# Allegro board 6089-103-RevA_73.brd (continued)
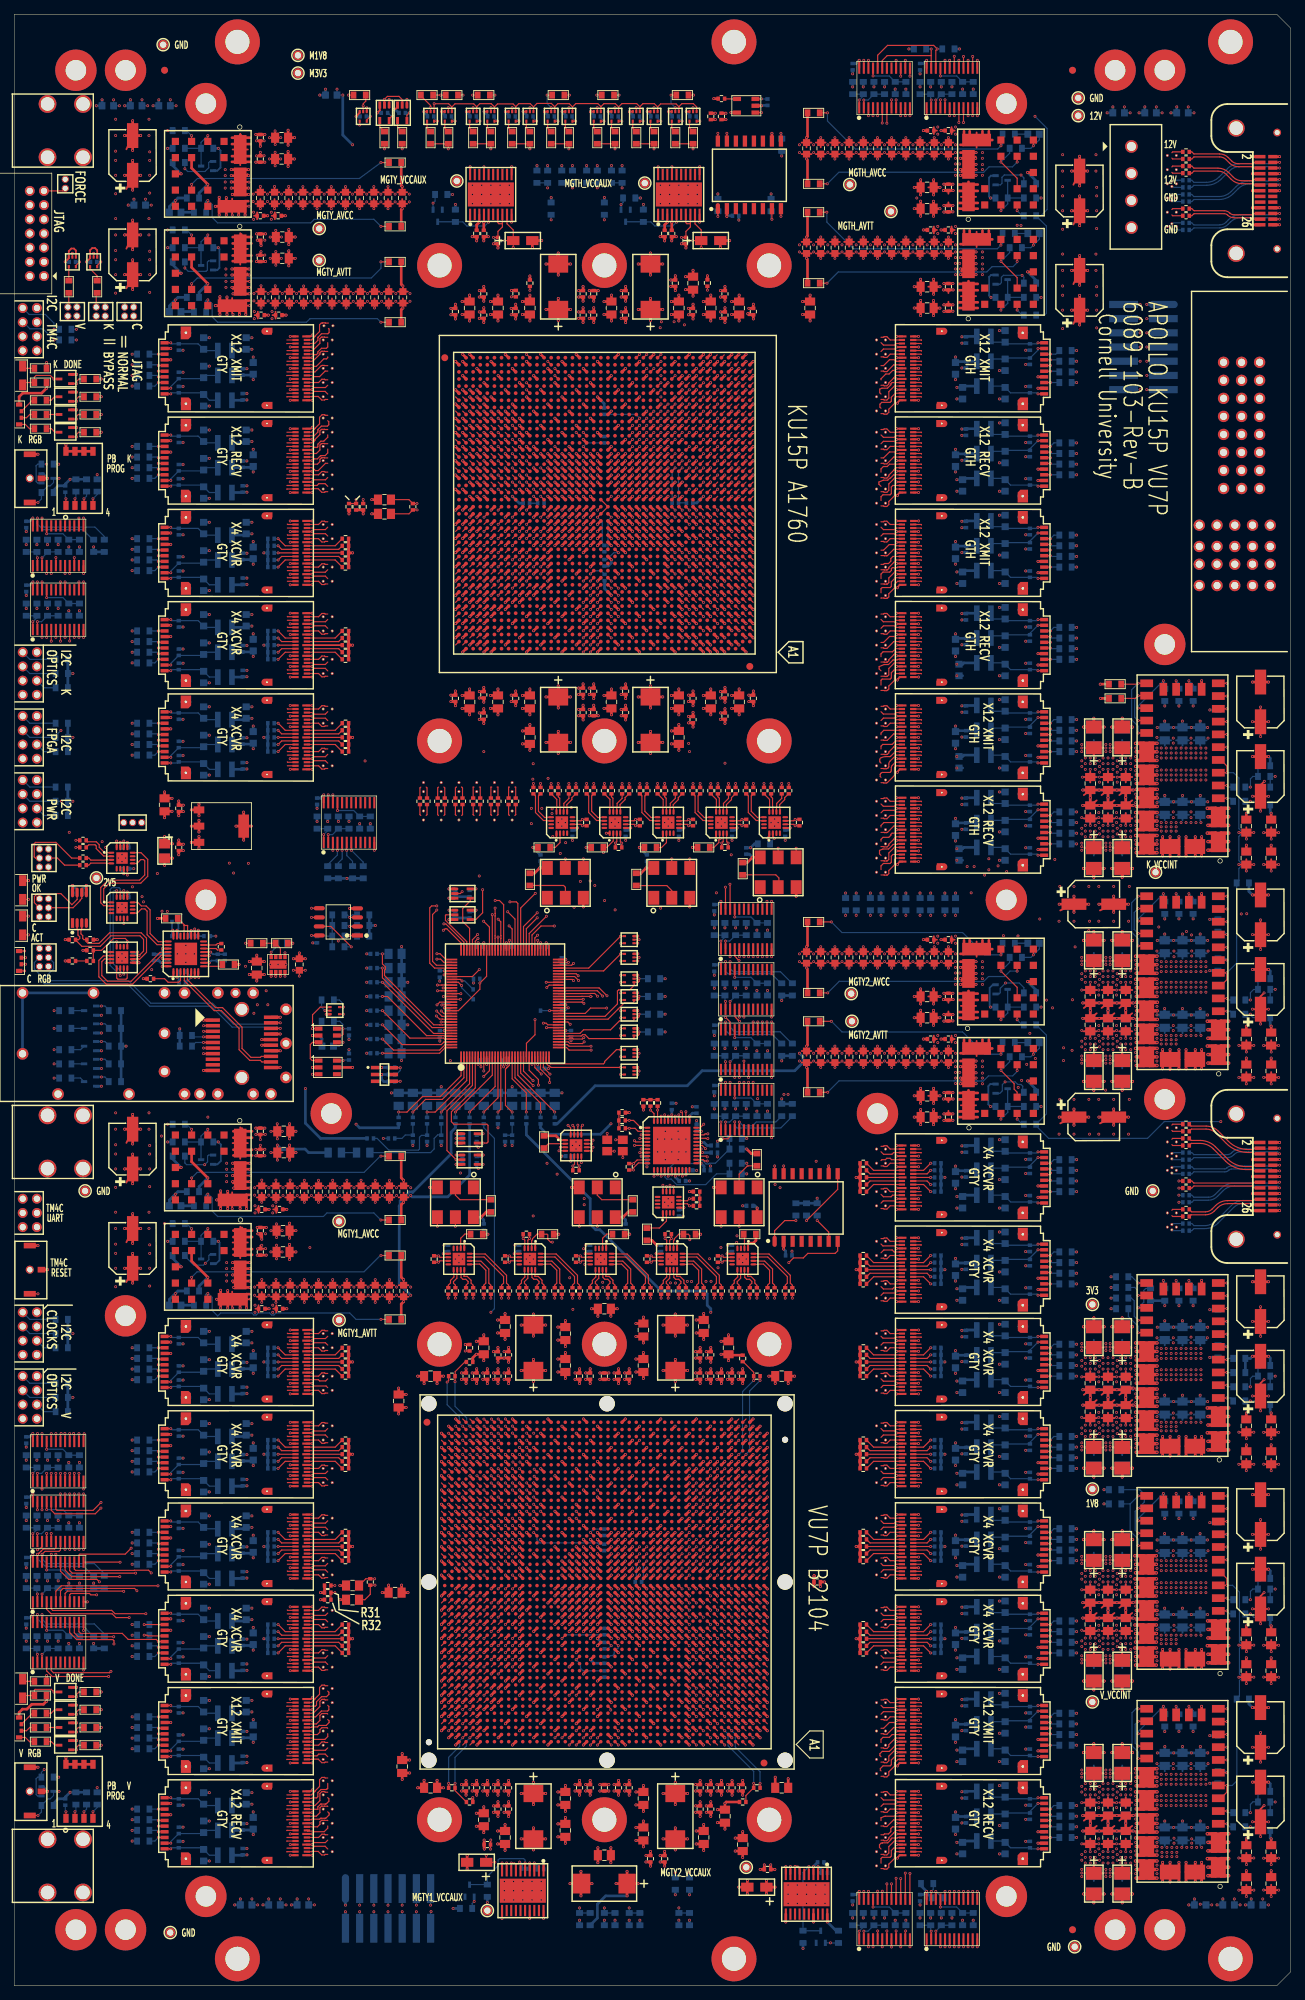
[diagram p0: board, top side]
## Routing (per net, layer and track width the routed paths; a pad name or vN(x,y) marks a point on that pad's centre or on a via; arc(x,y) is an arc through that point) (continued)
141.47,183.18 ; U107.G1 141.47,184.62 ; PM26.1 22,8.38 ; PM26.1 22.67,6.83 ; PM26.1 21.12,7.5 ; PM26.1 21.33,8.17 ; PM26.1 22,6.62 ; PM26.1 22.67,8.17 ; PM26.1 21.33,6.83 ; PM26.1 22.88,7.5 ; 30.51,140.59 U13.21 ; U13.21 32.1,139.9 ; U13.21 30.51,139.21 ; U13.21 31.89,140.59 ; U13.21 31.2,140.8 ; U13.21 31.89,139.21 ; U13.21 30.3,139.9 ; U13.21 31.2,139 ; U106.G1 142.19,197.84 ; U106.G1 141.25,196.9 ; U106.G1 141.47,196.18 ; U106.G1 141.79,195.97 ; U106.G1 141.47,197.62 ; U106.G1 142.91,196.18 ; U106.G1 142.19,195.96 ; U106.G1 142.91,197.62 ; 43.15,205.71 43.56,205.9 ; 43.56,205.9 43.15,206.09 ; 43.56,205.9 43.18,205.9 ; 43.56,205.9 43.56,206.28 ; 43.56,205.9 43.38,205.49 ; 43.56,205.9 43.24,206.22 ; 43.56,205.9 43.24,205.58 ; 43.56,205.9 43.56,205.52 ; 163.84,114.9 164.25,115.09 ; 163.84,114.9 164.25,114.71 ; 163.84,114.9 164.16,114.58 ; 163.84,114.9 164.02,115.31 ; 163.84,114.9 163.84,114.52 ; 163.84,114.9 164.16,115.22 ; 163.84,114.9 164.22,114.9 ; 163.84,114.9 163.84,115.28 ; VA46.4 45.02,29.31 ; VA46.4 45.25,28.71 ; VA46.4 45.16,29.22 ; VA46.4 45.25,29.09 ; VA46.4 44.84,29.28 ; VA46.4 45.16,28.58 ; VA46.4 44.84,28.52 ; VA46.4 45.22,28.9 ; VA80.3 122.83,200.28 ; VA80.3 123.16,199.58 ; VA80.3 123.25,199.71 ; VA80.3 123.25,200.09 ; VA80.3 123.22,199.9 ; VA80.3 123.02,200.31 ; VA80.3 122.83,199.52 ; VA80.3 123.16,200.22 ; 24.21,169.96 U24.G2 ; U24.G2 24.93,170.18 ; U24.G2 23.49,171.62 ; U24.G2 24.93,171.62 ; U24.G2 25.15,170.9 ; U24.G2 23.81,169.97 ; U24.G2 23.49,170.18 ; U24.G2 24.21,171.84 ; 43.24,173.58 43.56,173.9 ; 43.56,173.9 43.18,173.9 ; 43.56,173.9 43.56,174.28 ; 43.56,173.9 43.56,173.52 ; 43.56,173.9 43.24,174.22 ; 43.56,173.9 43.38,173.49 ; 43.56,173.9 43.15,174.09 ; 43.56,173.9 43.15,173.71 ; U112.G2 142.91,92.18 ; U112.G2 141.25,92.9 ; U112.G2 141.47,93.62 ; U112.G2 142.19,93.84 ; U112.G2 141.79,91.97 ; U112.G2 142.91,93.62 ; U112.G2 141.47,92.18 ; U112.G2 142.19,91.96 ; J6.1 2.07,110.52 ; J6.1 2.07,111.28 ; J6.1 1.58,111.77 ; J6.1 1.87,111.57 ; J6.1 1.2,111.78 ; J6.1 1.2,110.02 ; J6.1 2.08,110.9 ; J6.1 1.87,110.23 ; 121.15,202.09 VA79.4 ; VA79.4 121.18,201.9 ; VA79.4 121.56,202.28 ; VA79.4 121.38,201.49 ; VA79.4 121.24,202.22 ; VA79.4 121.56,201.52 ; VA79.4 121.15,201.71 ; VA79.4 121.24,201.58 ; 62.7,164.26 63.02,163.94 ; 62.7,164.26 63.08,164.26 ; 62.7,164.26 62.51,163.85 ; 62.7,164.26 63.11,164.08 ; 62.7,164.26 62.32,164.26 ; 62.7,164.26 62.38,163.94 ; 62.7,164.26 62.29,164.08 ; 62.7,164.26 62.7,163.88 ; 3.53,244.23 J1.5 ; J1.5 5.08,244.9 ; J1.5 4.87,245.57 ; J1.5 3.53,245.57 ; J1.5 3.32,244.9 ; J1.5 4.2,244.02 ; J1.5 4.2,245.78 ; J1.5 4.87,244.23 ; VA65.3 123.16,232.22 ; VA65.3 123.22,231.9 ; VA65.3 122.83,232.28 ; VA65.3 123.25,232.09 ; VA65.3 123.02,232.31 ; VA65.3 122.83,231.52 ; VA65.3 123.16,231.58 ; VA65.3 123.25,231.71 ; VA13.4 45.25,204.09 ; VA13.4 45.25,203.71 ; VA13.4 45.16,203.58 ; VA13.4 45.02,204.31 ; VA13.4 45.22,203.9 ; VA13.4 45.16,204.22 ; VA13.4 44.84,204.28 ; VA13.4 44.84,203.52 ; VA22.3 45.16,173.58 ; VA22.3 45.25,174.09 ; VA22.3 44.84,173.52 ; VA22.3 45.02,174.31 ; VA22.3 45.22,173.9 ; VA22.3 45.25,173.71 ; VA22.3 45.16,174.22 ; VA22.3 44.84,174.28 ; VA124.3 123.25,44.71 ; VA124.3 123.16,45.22 ; VA124.3 123.16,44.58 ; VA124.3 122.83,44.52 ; VA124.3 123.02,45.31 ; VA124.3 123.25,45.09 ; VA124.3 122.83,45.28 ; VA124.3 123.22,44.9 ; 141.79,39.97 U116.G2 ; U116.G2 141.25,40.9 ; U116.G2 141.47,41.62 ; U116.G2 142.91,41.62 ; U116.G2 142.19,39.96 ; U116.G2 142.91,40.18 ; U116.G2 141.47,40.18 ; U116.G2 142.19,41.84 ; 121.15,17.09 VA136.4 ; VA136.4 121.56,17.28 ; VA136.4 121.15,16.71 ; VA136.4 121.18,16.9 ; VA136.4 121.56,16.52 ; VA136.4 121.24,16.58 ; VA136.4 121.38,16.49 ; VA136.4 121.24,17.22 ; VA10.4 45.16,213.22 ; VA10.4 45.02,213.31 ; VA10.4 45.25,212.71 ; VA10.4 45.25,213.09 ; VA10.4 44.84,212.52 ; VA10.4 45.22,212.9 ; VA10.4 44.84,213.28 ; VA10.4 45.16,212.58 ; VA76.3 123.02,209.31 ; VA76.3 123.25,209.09 ; VA76.3 123.16,208.58 ; VA76.3 123.16,209.22 ; VA76.3 123.22,208.9 ; VA76.3 122.83,209.28 ; VA76.3 122.83,208.52 ; VA76.3 123.25,208.71 ; J3.7 1.87,182.57 ; J3.7 1.2,181.02 ; J3.7 1.2,182.78 ; J3.7 1.58,182.77 ; J3.7 1.87,181.23 ; J3.7 2.07,182.28 ; J3.7 2.08,181.9 ; J3.7 2.07,181.52 ; 43.24,40.22 43.56,39.9 ; 43.56,39.9 43.56,39.52 ; 43.56,39.9 43.15,39.71 ; 43.56,39.9 43.38,39.49 ; 43.56,39.9 43.24,39.58 ; 43.56,39.9 43.56,40.28 ; 43.56,39.9 43.15,40.09 ; 43.56,39.9 43.18,39.9 ; 163.84,118.9 164.25,119.09 ; 163.84,118.9 164.16,119.22 ; 163.84,118.9 163.84,119.28 ; 163.84,118.9 164.02,119.31 ; 163.84,118.9 164.22,118.9 ; 163.84,118.9 164.25,118.71 ; 163.84,118.9 164.16,118.58 ; 163.84,118.9 163.84,118.52 ; VA112.3 123.16,83.58 ; VA112.3 123.25,83.71 ; VA112.3 123.25,84.09 ; VA112.3 123.16,84.22 ; VA112.3 122.83,83.52 ; VA112.3 122.83,84.28 ; VA112.3 123.02,84.31 ; VA112.3 123.22,83.9 ; 6.18,125.65 6.85,124.98 ; 6.18,125.65 6.18,126.53 ; 6.18,125.65 6.18,124.77 ; 6.18,125.65 5.51,126.32 ; 6.18,125.65 5.3,125.65 ; 6.18,125.65 7.06,125.65 ; 6.18,125.65 6.85,126.32 ; 6.18,125.65 5.51,124.98 ; J6.5 2.08,106.9 ; J6.5 1.87,107.57 ; J6.5 1.2,107.78 ; J6.5 1.2,106.02 ; J6.5 2.07,107.28 ; J6.5 1.58,107.77 ; J6.5 1.87,106.23 ; J6.5 2.07,106.52 ; 69.79,168.08 70.2,168.26 ; 70.2,168.26 70.01,167.85 ; 70.2,168.26 69.82,168.26 ; 70.2,168.26 70.2,167.88 ; 70.2,168.26 70.58,168.26 ; 70.2,168.26 70.52,167.94 ; 70.2,168.26 69.88,167.94 ; 70.2,168.26 70.61,168.08 ; VA121.4 122.83,53.28 ; VA121.4 123.22,52.9 ; VA121.4 123.16,52.58 ; VA121.4 123.02,53.31 ; VA121.4 123.16,53.22 ; VA121.4 123.25,53.09 ; VA121.4 122.83,52.52 ; VA121.4 123.25,52.71 ; 43.56,203.52 43.56,203.9 ; 43.56,203.9 43.38,203.49 ; 43.56,203.9 43.18,203.9 ; 43.56,203.9 43.15,204.09 ; 43.56,203.9 43.24,204.22 ; 43.56,203.9 43.56,204.28 ; 43.56,203.9 43.24,203.58 ; 43.56,203.9 43.15,203.71 ; VA23.3 45.16,171.58 ; VA23.3 45.25,172.09 ; VA23.3 45.16,172.22 ; VA23.3 45.02,172.31 ; VA23.3 45.25,171.71 ; VA23.3 44.84,171.52 ; VA23.3 44.84,172.28 ; VA23.3 45.22,171.9 ; P1.12 173.03,219.57 ; P1.12 172.05,218.59 ; P1.12 173.03,217.61 ; P1.12 172.29,217.85 ; P1.12 173.77,219.33 ; P1.12 174.01,218.59 ; P1.12 173.77,217.85 ; P1.12 172.29,219.33 ; U109.G1 142.91,158.62 ; U109.G1 142.91,157.18 ; U109.G1 141.47,158.62 ; U109.G1 141.47,157.18 ; U109.G1 142.19,156.96 ; U109.G1 142.19,158.84 ; U109.G1 141.25,157.9 ; U109.G1 141.79,156.97 ; U13.39 24.77,139.14 ; U13.39 25.02,139.9 ; U13.39 23.25,140.66 ; U13.39 23.25,139.14 ; U13.39 24.77,140.66 ; U13.39 24.01,140.9 ; U13.39 24.01,138.9 ; U13.39 23.01,139.9 ; 162.24,254.22 VA139.4 ; VA139.4 162.15,254.09 ; VA139.4 162.56,254.28 ; VA139.4 162.24,253.58 ; VA139.4 162.56,253.52 ; VA139.4 162.38,253.49 ; VA139.4 162.18,253.9 ; VA139.4 162.15,253.71 ; 122.83,63.52 VA118.4 ; VA118.4 123.22,63.9 ; VA118.4 122.83,64.28 ; VA118.4 123.25,63.71 ; VA118.4 123.16,63.58 ; VA118.4 123.25,64.09 ; VA118.4 123.02,64.31 ; VA118.4 123.16,64.22 ; 121.24,35.58 VA127.4 ; VA127.4 121.15,36.09 ; VA127.4 121.56,36.28 ; VA127.4 121.38,35.49 ; VA127.4 121.15,35.71 ; VA127.4 121.24,36.22 ; VA127.4 121.18,35.9 ; VA127.4 121.56,35.52 ; 121.24,112.22 VA103.4 ; VA103.4 121.18,111.9 ; VA103.4 121.38,111.49 ; VA103.4 121.15,112.09 ; VA103.4 121.24,111.58 ; VA103.4 121.15,111.71 ; VA103.4 121.56,111.52 ; VA103.4 121.56,112.28 ; U13.30 24.77,126.41 ; U13.30 24.01,126.65 ; U13.30 23.25,126.41 ; U13.30 24.77,124.89 ; U13.30 25.02,125.65 ; U13.30 23.01,125.65 ; U13.30 24.01,124.65 ; U13.30 23.25,124.89 ; 163.84,249.9 164.25,249.71 ; 163.84,249.9 163.84,249.52 ; 163.84,249.9 164.22,249.9 ; 163.84,249.9 164.16,249.58 ; 163.84,249.9 164.25,250.09 ; 163.84,249.9 163.84,250.28 ; 163.84,249.9 164.16,250.22 ; 163.84,249.9 164.02,250.31 ; 121.56,192.52 VA83.4 ; VA83.4 121.15,192.71 ; VA83.4 121.56,193.28 ; VA83.4 121.18,192.9 ; VA83.4 121.24,193.22 ; VA83.4 121.38,192.49 ; VA83.4 121.15,193.09 ; VA83.4 121.24,192.58 ; 141.47,207.62 U106.G2 ; U106.G2 142.19,207.84 ; U106.G2 141.47,206.18 ; U106.G2 142.19,205.96 ; U106.G2 142.91,206.18 ; U106.G2 141.79,205.97 ; U106.G2 142.91,207.62 ; U106.G2 141.25,206.9 ; 43.15,22.71 43.56,22.9 ; 43.56,22.9 43.15,23.09 ; 43.56,22.9 43.38,22.49 ; 43.56,22.9 43.56,23.28 ; 43.56,22.9 43.24,23.22 ; 43.56,22.9 43.24,22.58 ; 43.56,22.9 43.18,22.9 ; 43.56,22.9 43.56,22.52 ; 121.38,96.49 VA108.4 ; VA108.4 121.24,96.58 ; VA108.4 121.56,97.28 ; VA108.4 121.15,97.09 ; VA108.4 121.15,96.71 ; VA108.4 121.24,97.22 ; VA108.4 121.56,96.52 ; VA108.4 121.18,96.9 ; 43.56,186.52 43.56,186.9 ; 43.56,186.9 43.38,186.49 ; 43.56,186.9 43.15,186.71 ; 43.56,186.9 43.24,187.22 ; 43.56,186.9 43.15,187.09 ; 43.56,186.9 43.24,186.58 ; 43.56,186.9 43.18,186.9 ; 43.56,186.9 43.56,187.28 ; VA99.3 123.16,158.58 ; VA99.3 123.22,158.9 ; VA99.3 123.16,159.22 ; VA99.3 123.25,158.71 ; VA99.3 122.83,158.52 ; VA99.3 122.83,159.28 ; VA99.3 123.02,159.31 ; VA99.3 123.25,159.09 ; P1.P2-5 173.05,202.8 ; P1.P2-5 172.81,203.54 ; P1.P2-5 171.33,202.06 ; P1.P2-5 172.81,202.06 ; P1.P2-5 172.07,203.78 ; P1.P2-5 171.09,202.8 ; P1.P2-5 172.07,201.82 ; P1.P2-5 171.33,203.54 ; P1.P2-7 170.31,202.06 ; P1.P2-7 170.55,202.8 ; P1.P2-7 168.59,202.8 ; P1.P2-7 168.83,202.06 ; P1.P2-7 169.57,201.82 ; P1.P2-7 168.83,203.54 ; P1.P2-7 169.57,203.78 ; P1.P2-7 170.31,203.54 ; VA25.4 45.16,90.22 ; VA25.4 45.02,90.31 ; VA25.4 45.22,89.9 ; VA25.4 45.25,89.71 ; VA25.4 44.84,89.52 ; VA25.4 45.16,89.58 ; VA25.4 45.25,90.09 ; VA25.4 44.84,90.28 ; 62.38,165.86 VA58.4 ; VA58.4 63.02,165.86 ; VA58.4 63.11,165.72 ; VA58.4 62.89,165.95 ; VA58.4 63.08,165.53 ; VA58.4 62.32,165.53 ; VA58.4 62.7,165.92 ; VA58.4 62.29,165.72 ; U13.38 21.86,140.57 ; U13.38 21.86,139.23 ; U13.38 20.52,139.23 ; U13.38 20.52,140.57 ; U13.38 20.32,139.9 ; U13.38 21.19,140.78 ; U13.38 21.19,139.02 ; U13.38 22.07,139.9 ; 65.2,168.26 65.58,168.26 ; 65.2,168.26 65.61,168.08 ; 65.2,168.26 64.88,167.94 ; 65.2,168.26 65.01,167.85 ; 65.2,168.26 64.82,168.26 ; 65.2,168.26 65.2,167.88 ; 65.2,168.26 64.79,168.08 ; 65.2,168.26 65.52,167.94 ; 43.24,36.22 43.56,35.9 ; 43.56,35.9 43.15,35.71 ; 43.56,35.9 43.38,35.49 ; 43.56,35.9 43.15,36.09 ; 43.56,35.9 43.56,35.52 ; 43.56,35.9 43.56,36.28 ; 43.56,35.9 43.18,35.9 ; 43.56,35.9 43.24,35.58 ; 25.53,124.98 U13.29 ; U13.29 26.2,126.53 ; U13.29 27.07,125.65 ; U13.29 25.53,126.32 ; U13.29 25.32,125.65 ; U13.29 26.87,124.98 ; U13.29 26.2,124.77 ; U13.29 26.87,126.32 ; 2.32,181.9 J3.8 ; J3.8 3.87,182.57 ; J3.8 2.53,182.57 ; J3.8 3.2,182.78 ; J3.8 3.2,181.02 ; J3.8 4.08,181.9 ; J3.8 2.53,181.23 ; J3.8 3.87,181.23 ; VA109.3 121.56,92.28 ; VA109.3 121.24,92.22 ; VA109.3 121.56,91.52 ; VA109.3 121.18,91.9 ; VA109.3 121.38,91.49 ; VA109.3 121.15,92.09 ; VA109.3 121.15,91.71 ; VA109.3 121.24,91.58 ; VA57.4 63.02,169.86 ; VA57.4 62.32,169.53 ; VA57.4 62.38,169.86 ; VA57.4 62.7,169.92 ; VA57.4 63.11,169.72 ; VA57.4 62.29,169.72 ; VA57.4 62.89,169.95 ; VA57.4 63.08,169.53 ; VA92.3 123.16,173.58 ; VA92.3 123.25,174.09 ; VA92.3 123.22,173.9 ; VA92.3 122.83,174.28 ; VA92.3 122.83,173.52 ; VA92.3 123.16,174.22 ; VA92.3 123.02,174.31 ; VA92.3 123.25,173.71 ; VA21.4 44.84,178.28 ; VA21.4 44.84,177.52 ; VA21.4 45.25,177.71 ; VA21.4 45.25,178.09 ; VA21.4 45.02,178.31 ; VA21.4 45.22,177.9 ; VA21.4 45.16,178.22 ; VA21.4 45.16,177.58 ; 168.83,206.54 P1.P2-8 ; P1.P2-8 170.31,205.06 ; P1.P2-8 170.31,206.54 ; P1.P2-8 169.57,206.78 ; P1.P2-8 168.83,205.06 ; P1.P2-8 170.55,205.8 ; P1.P2-8 169.57,204.82 ; P1.P2-8 168.59,205.8 ; 121.24,178.22 VA90.4 ; VA90.4 121.18,177.9 ; VA90.4 121.15,178.09 ; VA90.4 121.56,177.52 ; VA90.4 121.15,177.71 ; VA90.4 121.24,177.58 ; VA90.4 121.56,178.28 ; VA90.4 121.38,177.49 ; 43.18,225.9 43.56,225.9 ; 43.56,225.9 43.15,226.09 ; 43.56,225.9 43.56,226.28 ; 43.56,225.9 43.56,225.52 ; 43.56,225.9 43.24,226.22 ; 43.56,225.9 43.38,225.49 ; 43.56,225.9 43.24,225.58 ; 43.56,225.9 43.15,225.71 ; VA5.4 44.84,224.28 ; VA5.4 45.25,223.71 ; VA5.4 45.25,224.09 ; VA5.4 45.16,224.22 ; VA5.4 44.84,223.52 ; VA5.4 45.22,223.9 ; VA5.4 45.02,224.31 ; VA5.4 45.16,223.58 ; U30.G2 24.93,18.62 ; U30.G2 23.49,18.62 ; U30.G2 25.15,17.9 ; U30.G2 24.93,17.18 ; U30.G2 23.81,16.97 ; U30.G2 23.49,17.18 ; U30.G2 24.21,18.84 ; U30.G2 24.21,16.96 ; 162.15,256.09 VA138.4 ; VA138.4 162.24,255.58 ; VA138.4 162.18,255.9 ; VA138.4 162.56,255.52 ; VA138.4 162.24,256.22 ; VA138.4 162.38,255.49 ; VA138.4 162.56,256.28 ; VA138.4 162.15,255.71 ; 43.15,70.71 43.56,70.9 ; 43.56,70.9 43.18,70.9 ; 43.56,70.9 43.24,71.22 ; 43.56,70.9 43.56,70.52 ; 43.56,70.9 43.56,71.28 ; 43.56,70.9 43.24,70.58 ; 43.56,70.9 43.38,70.49 ; 43.56,70.9 43.15,71.09 ; VA105.3 121.56,105.28 ; VA105.3 121.38,104.49 ; VA105.3 121.24,105.22 ; VA105.3 121.18,104.9 ; VA105.3 121.24,104.58 ; VA105.3 121.56,104.52 ; VA105.3 121.15,104.71 ; VA105.3 121.15,105.09 ; VA78.3 123.16,203.58 ; VA78.3 122.83,203.52 ; VA78.3 123.25,203.71 ; VA78.3 123.25,204.09 ; VA78.3 123.16,204.22 ; VA78.3 123.02,204.31 ; VA78.3 122.83,204.28 ; VA78.3 123.22,203.9 ; 121.15,47.09 VA123.4 ; VA123.4 121.24,46.58 ; VA123.4 121.15,46.71 ; VA123.4 121.18,46.9 ; VA123.4 121.38,46.49 ; VA123.4 121.24,47.22 ; VA123.4 121.56,47.28 ; VA123.4 121.56,46.52 ; VA107.3 123.16,99.22 ; VA107.3 122.83,99.28 ; VA107.3 123.25,98.71 ; VA107.3 123.22,98.9 ; VA107.3 122.83,98.52 ; VA107.3 123.25,99.09 ; VA107.3 123.16,98.58 ; VA107.3 123.02,99.31 ; 121.56,173.52 VA92.4 ; VA92.4 121.24,173.58 ; VA92.4 121.15,174.09 ; VA92.4 121.18,173.9 ; VA92.4 121.15,173.71 ; VA92.4 121.24,174.22 ; VA92.4 121.38,173.49 ; VA92.4 121.56,174.28 ; 121.24,90.22 VA110.3 ; VA110.3 121.56,90.28 ; VA110.3 121.15,90.09 ; VA110.3 121.56,89.52 ; VA110.3 121.24,89.58 ; VA110.3 121.38,89.49 ; VA110.3 121.15,89.71 ; VA110.3 121.18,89.9 ; 43.15,215.09 43.56,214.9 ; 43.56,214.9 43.18,214.9 ; 43.56,214.9 43.38,214.49 ; 43.56,214.9 43.56,215.28 ; 43.56,214.9 43.56,214.52 ; 43.56,214.9 43.15,214.71 ; 43.56,214.9 43.24,215.22 ; 43.56,214.9 43.24,214.58 ; 122.83,166.52 VA95.3 ; VA95.3 123.02,167.31 ; VA95.3 123.22,166.9 ; VA95.3 123.25,166.71 ; VA95.3 123.16,167.22 ; VA95.3 122.83,167.28 ; VA95.3 123.25,167.09 ; VA95.3 123.16,166.58 ; 27.71,139.9 U13.40 ; U13.40 29.47,139.14 ; U13.40 29.71,139.9 ; U13.40 28.71,138.9 ; U13.40 27.95,140.66 ; U13.40 29.47,140.66 ; U13.40 28.71,140.9 ; U13.40 27.95,139.14 ; VA9.4 45.25,214.71 ; VA9.4 45.16,215.22 ; VA9.4 45.02,215.31 ; VA9.4 44.84,215.28 ; VA9.4 45.22,214.9 ; VA9.4 44.84,214.52 ; VA9.4 45.16,214.58 ; VA9.4 45.25,215.09 ; U13.35 11.86,140.57 ; U13.35 11.86,139.23 ; U13.35 11.18,139.02 ; U13.35 12.06,139.9 ; U13.35 10.51,140.57 ; U13.35 10.51,139.23 ; U13.35 10.31,139.9 ; U13.35 11.18,140.78 ; U116.G1 142.19,31.84 ; U116.G1 141.25,30.9 ; U116.G1 142.91,31.62 ; U116.G1 141.47,31.62 ; U116.G1 141.47,30.18 ; U116.G1 142.19,29.96 ; U116.G1 142.91,30.18 ; U116.G1 141.79,29.97 ; VA84.4 121.56,191.28 ; VA84.4 121.38,190.49 ; VA84.4 121.15,191.09 ; VA84.4 121.24,190.58 ; VA84.4 121.15,190.71 ; VA84.4 121.18,190.9 ; VA84.4 121.24,191.22 ; VA84.4 121.56,190.52 ; 173.03,222.69 P1.14 ; P1.14 172.29,222.93 ; P1.14 173.03,224.65 ; P1.14 174.01,223.67 ; P1.14 172.05,223.67 ; P1.14 173.77,222.93 ; P1.14 173.77,224.41 ; P1.14 172.29,224.41 ; 121.38,44.49 VA124.4 ; VA124.4 121.18,44.9 ; VA124.4 121.56,45.28 ; VA124.4 121.24,45.22 ; VA124.4 121.24,44.58 ; VA124.4 121.15,45.09 ; VA124.4 121.15,44.71 ; VA124.4 121.56,44.52 ; 141.25,219.9 U105.G2 ; U105.G2 141.79,218.97 ; U105.G2 141.47,219.18 ; U105.G2 141.47,220.62 ; U105.G2 142.19,220.84 ; U105.G2 142.91,219.18 ; U105.G2 142.19,218.96 ; U105.G2 142.91,220.62 ; VA36.4 45.25,52.71 ; VA36.4 45.25,53.09 ; VA36.4 45.22,52.9 ; VA36.4 45.16,53.22 ; VA36.4 45.16,52.58 ; VA36.4 44.84,53.28 ; VA36.4 45.02,53.31 ; VA36.4 44.84,52.52 ; U113.G1 142.19,70.84 ; U113.G1 141.47,69.18 ; U113.G1 141.79,68.97 ; U113.G1 142.91,70.62 ; U113.G1 141.47,70.62 ; U113.G1 141.25,69.9 ; U113.G1 142.19,68.96 ; U113.G1 142.91,69.18 ; VA47.4 45.22,26.9 ; VA47.4 44.84,26.52 ; VA47.4 44.84,27.28 ; VA47.4 45.02,27.31 ; VA47.4 45.16,27.22 ; VA47.4 45.25,26.71 ; VA47.4 45.25,27.09 ; VA47.4 45.16,26.58 ; 57.29,169.72 VA53.4 ; VA53.4 57.7,169.92 ; VA53.4 57.89,169.95 ; VA53.4 58.02,169.86 ; VA53.4 57.32,169.53 ; VA53.4 58.08,169.53 ; VA53.4 57.38,169.86 ; VA53.4 58.11,169.72 ; 32.93,139.14 U13.22 ; U13.22 34.45,140.66 ; U13.22 32.69,139.9 ; U13.22 32.93,140.66 ; U13.22 34.69,139.9 ; U13.22 34.45,139.14 ; U13.22 33.69,140.9 ; U13.22 33.69,138.9 ; 162.56,118.52 VA144.4 ; VA144.4 162.15,118.71 ; VA144.4 162.56,119.28 ; VA144.4 162.38,118.49 ; VA144.4 162.18,118.9 ; VA144.4 162.24,118.58 ; VA144.4 162.24,119.22 ; VA144.4 162.15,119.09 ; 43.38,220.49 43.56,220.9 ; 43.56,220.9 43.18,220.9 ; 43.56,220.9 43.24,220.58 ; 43.56,220.9 43.56,220.52 ; 43.56,220.9 43.15,220.71 ; 43.56,220.9 43.15,221.09 ; 43.56,220.9 43.56,221.28 ; 43.56,220.9 43.24,221.22 ; VA55.4 60.2,169.92 ; VA55.4 60.58,169.53 ; VA55.4 59.82,169.53 ; VA55.4 59.79,169.72 ; VA55.4 60.61,169.72 ; VA55.4 60.39,169.95 ; VA55.4 59.88,169.86 ; VA55.4 60.52,169.86 ; 43.15,59.71 43.56,59.9 ; 43.56,59.9 43.56,59.52 ; 43.56,59.9 43.24,60.22 ; 43.56,59.9 43.18,59.9 ; 43.56,59.9 43.56,60.28 ; 43.56,59.9 43.24,59.58 ; 43.56,59.9 43.38,59.49 ; 43.56,59.9 43.15,60.09 ; U22.G2 25.15,196.9 ; U22.G2 24.93,197.62 ; U22.G2 24.21,195.96 ; U22.G2 23.49,197.62 ; U22.G2 24.93,196.18 ; U22.G2 23.81,195.97 ; U22.G2 24.21,197.84 ; U22.G2 23.49,196.18 ; 43.38,210.49 43.56,210.9 ; 43.56,210.9 43.56,210.52 ; 43.56,210.9 43.56,211.28 ; 43.56,210.9 43.24,211.22 ; 43.56,210.9 43.15,211.09 ; 43.56,210.9 43.18,210.9 ; 43.56,210.9 43.15,210.71 ; 43.56,210.9 43.24,210.58 ; VA146.4 162.56,115.28 ; VA146.4 162.18,114.9 ; VA146.4 162.38,114.49 ; VA146.4 162.56,114.52 ; VA146.4 162.15,115.09 ; VA146.4 162.24,115.22 ; VA146.4 162.15,114.71 ; VA146.4 162.24,114.58 ; U13.31 16.86,124.98 ; U13.31 16.19,126.53 ; U13.31 17.07,125.65 ; U13.31 16.19,124.77 ; U13.31 15.31,125.65 ; U13.31 16.86,126.32 ; U13.31 15.52,124.98 ; U13.31 15.52,126.32 ; 121.24,225.58 VA68.4 ; VA68.4 121.56,226.28 ; VA68.4 121.15,226.09 ; VA68.4 121.24,226.22 ; VA68.4 121.18,225.9 ; VA68.4 121.56,225.52 ; VA68.4 121.38,225.49 ; VA68.4 121.15,225.71 ; VA87.4 121.56,185.28 ; VA87.4 121.18,184.9 ; VA87.4 121.15,184.71 ; VA87.4 121.38,184.49 ; VA87.4 121.56,184.52 ; VA87.4 121.24,185.22 ; VA87.4 121.24,184.58 ; VA87.4 121.15,185.09 ; 171.33,205.06 P1.P2-6 ; P1.P2-6 172.07,206.78 ; P1.P2-6 172.81,206.54 ; P1.P2-6 171.09,205.8 ; P1.P2-6 171.33,206.54 ; P1.P2-6 172.07,204.82 ; P1.P2-6 173.05,205.8 ; P1.P2-6 172.81,205.06 ; 121.18,29.9 VA130.4 ; VA130.4 121.24,30.22 ; VA130.4 121.56,30.28 ; VA130.4 121.24,29.58 ; VA130.4 121.38,29.49 ; VA130.4 121.15,29.71 ; VA130.4 121.56,29.52 ; VA130.4 121.15,30.09 ; 122.83,31.52 VA129.3 ; VA129.3 123.16,31.58 ; VA129.3 122.83,32.28 ; VA129.3 123.02,32.31 ; VA129.3 123.16,32.22 ; VA129.3 123.25,32.09 ; VA129.3 123.22,31.9 ; VA129.3 123.25,31.71 ; 173.59,205.8 P1.P2-4 ; P1.P2-4 174.57,206.78 ; P1.P2-4 173.83,206.54 ; P1.P2-4 173.83,205.06 ; P1.P2-4 175.31,206.54 ; P1.P2-4 175.31,205.06 ; P1.P2-4 174.57,204.82 ; P1.P2-4 175.55,205.8 ; 121.15,212.71 VA74.4 ; VA74.4 121.24,212.58 ; VA74.4 121.15,213.09 ; VA74.4 121.56,212.52 ; VA74.4 121.56,213.28 ; VA74.4 121.18,212.9 ; VA74.4 121.38,212.49 ; VA74.4 121.24,213.22 ; 121.15,229.71 VA66.4 ; VA66.4 121.15,230.09 ; VA66.4 121.38,229.49 ; VA66.4 121.24,229.58 ; VA66.4 121.24,230.22 ; VA66.4 121.18,229.9 ; VA66.4 121.56,229.52 ; VA66.4 121.56,230.28 ; 43.18,26.9 43.56,26.9 ; 43.56,26.9 43.38,26.49 ; 43.56,26.9 43.15,27.09 ; 43.56,26.9 43.24,27.22 ; 43.56,26.9 43.24,26.58 ; 43.56,26.9 43.56,26.52 ; 43.56,26.9 43.15,26.71 ; 43.56,26.9 43.56,27.28 ; J1.7 4.87,247.57 ; J1.7 4.2,247.78 ; J1.7 4.2,246.02 ; J1.7 3.53,247.57 ; J1.7 4.87,246.23 ; J1.7 5.08,246.9 ; J1.7 3.32,246.9 ; J1.7 3.53,246.23 ; 24.21,192.96 U23.G1 ; U23.G1 24.93,194.62 ; U23.G1 24.21,194.84 ; U23.G1 23.49,194.62 ; U23.G1 23.49,193.18 ; U23.G1 24.93,193.18 ; U23.G1 25.15,193.9 ; U23.G1 23.81,192.97 ; VA49.4 45.16,22.58 ; VA49.4 45.22,22.9 ; VA49.4 45.16,23.22 ; VA49.4 45.25,22.71 ; VA49.4 45.25,23.09 ; VA49.4 44.84,23.28 ; VA49.4 44.84,22.52 ; VA49.4 45.02,23.31 ; 44.94,233.9 45.26,234.22 ; 44.94,233.9 